# Allegro board FEMA_B40_V0P2.brd (continued)
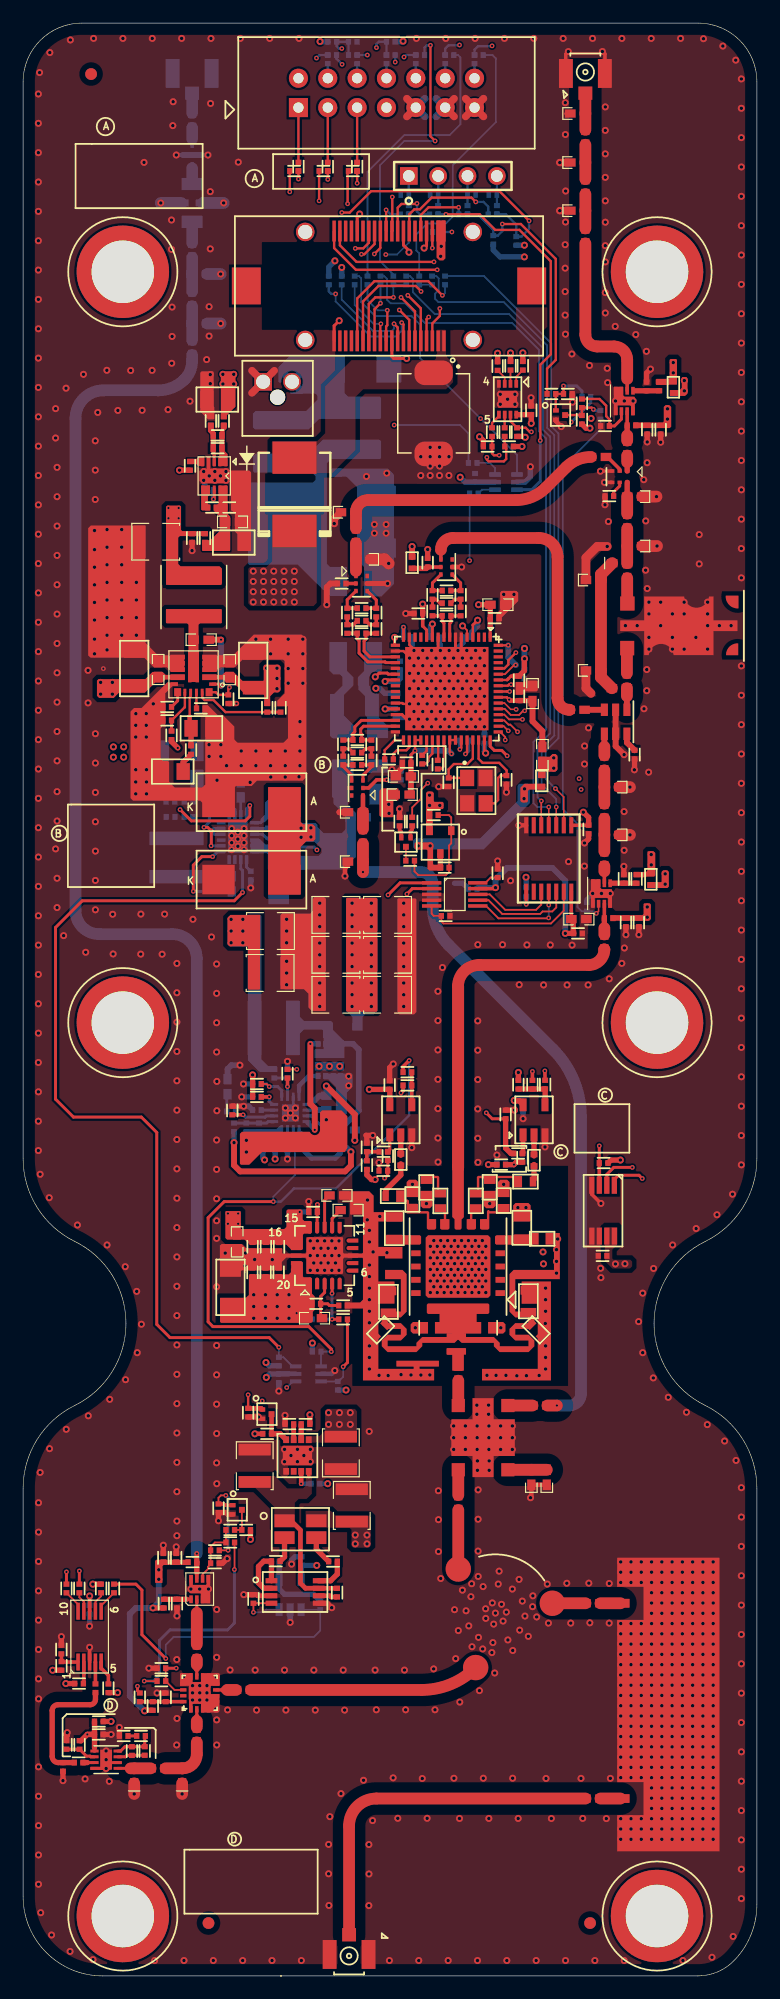
[diagram p0: board, top side]
## Copper pours and planes (outline as drawn; the poured copper is in the pictures) (continued)
GND on BOTTOM: 17.14,106.93 14.57,106.93 14.47,106.83 14.47,100.08 14.49,100.05 14.9,100.05 14.93,100.08 14.93,102.16 15.15,102.39 15.61,102.39 15.64,102.41 15.64,105.08 15.69,105.13 17.11,105.13 17.39,105.41 17.39,106.68
GND on L5-PWR: 12.92,33.44 12.92,87.52 12.44,88 4.51,88 2.52,89.99 2.52,137.18 4.92,139.58 11.84,139.58 12.53,140.27 12.53,166.54 12.84,166.85 16.22,166.85 16.55,166.37 16.55,137.44 12.97,133.85 7.51,133.85 6.61,132.95 6.61,113.41 5.88,112.69 5.88,110.49 6.61,109.77 6.61,92.41 6.75,92.26 14.96,92.26 17.08,90.13 17.08,33.34 16.67,32.92 13.44,32.92
GND on L5-PWR: 32.12,92.28 32.12,83.54 33.81,81.85 41.01,81.85 45.45,77.41 45.45,51.5 44.2,50.26 44.2,48.68 44.85,48.03 49.19,48.03 50.14,48.98 50.14,79.13 37.91,91.36 37.91,96.86 35.83,98.95 28.7,98.95 28.36,98.61 28.36,94.74 28.74,94.36 30.04,94.36
VCC_1V8 on TOP (solid shape): 35.54,102.37 35.54,101.66 35.6,101.61 36.29,101.61 36.39,101.51 36.39,101.07 36.3,100.98 35.44,100.98 35.4,100.94 35.4,99.99 35.45,99.95 35.45,98.75 35.43,98.73 34.89,98.73 34.87,98.76 34.87,102.37 34.99,102.5 35.42,102.5
VCC_1V8 on BOTTOM: 17.49,98.45 16.2,98.45 15.61,99.03 12.84,99.03 12.59,99.29 12.59,102.36 12.64,102.41 12.64,106.91 12.62,106.92 11.48,106.92 11.3,106.74 7.66,106.74 7.47,106.55 7.47,105.29 7.6,105.15 8.92,105.15 8.98,105.21 11.42,105.21 11.5,105.13 11.5,104.19 11.47,104.17 11.47,99.59 10.91,99.03 10.91,97.87 10.94,97.84 15.76,97.84 16.07,98.15 17.49,98.15 17.54,98.2 17.54,98.4
VCC_1V8 on L4-SIG2: 34.28,99.69 27.88,99.69 27.14,100.43 27.14,107.34 26.99,107.49 7.48,107.49 7.03,107.04 7.03,96.34 7.43,95.94 37.21,95.94 37.52,96.24 37.52,102.81 37.3,103.02 34.81,103.02 34.56,102.77 34.56,99.97
VCC_3.3V on TOP (solid shape): 36.54,151.89 36.54,148.64 36.36,148.46 36.03,148.46 35.78,148.72 35.78,151.89 35.8,151.92 36.52,151.92
VCC_3.3V on TOP (solid shape): 18.38,138.81 18.38,135.81 17.62,135.05 17.62,134.72 17.14,134.72 17.11,134.75 17.11,138.79 17.19,138.86 18.33,138.86
VCC_3.3V on TOP: 50.44,64.8 50.34,64.7 50.34,61.87 50.99,61.22 52.52,61.22 52.7,61.41 52.7,61.83 52.55,61.98 51.09,61.98 50.99,62.08 50.99,62.86 51.43,63.3 51.43,64.78 51.41,64.8
VCC_3.3V on L5-PWR: 19.14,55.31 25.04,55.31 25.42,54.94 25.42,50.6 25.42,50.6 25.42,45.93 26.45,44.9 31.05,44.9 32.04,45.89 32.04,65.05 30.01,67.08 30.01,69.14 30.39,69.52 32.63,69.52 34.25,71.15 34.25,80.52 35.22,81.48 40.2,81.48 44.16,77.52 44.16,51.48 43.67,50.99 43.67,47.98 44.06,47.59 49.82,47.59 50.66,48.43 50.66,81.12 38.82,92.97 38.82,97.98 37,99.8 28.89,99.8 24.86,103.83 24.86,126.36 24.06,127.16 13.95,127.16 12.64,128.46 12.64,132.72 16.93,137 16.93,139.45 17.57,140.08 17.57,151.33 18.37,152.13 42.81,152.13 43.96,150.98 43.96,137.71 44.68,136.98 48.59,136.98 51.23,134.35 51.23,120.47 49.47,118.72 30.88,118.72 29.64,117.48 29.64,111.86 29.75,111.76 30.63,111.76 30.83,111.55 30.83,111.23 30.66,111.05 29.78,111.05 29.64,110.91 29.64,107.13 30.17,106.6 59.46,106.6 61.16,104.9 61.16,70.75 52.72,62.31 52.72,53.2 53.93,51.99 53.93,39.05 50.49,35.62 34.25,35.62 31.77,33.14 31.77,17.82 29.08,15.13 2.75,15.13 2.2,15.69 2.2,38.95 3.03,39.79 9.04,39.79 9.89,38.95 9.89,30.03 10.63,29.28 17.36,29.28 18.69,30.61 18.69,54.86
VCC_5V on TOP (solid shape): 14.39,35.56 12.15,35.56 12.06,35.47 12.06,34.05 12.02,34.01 11.47,34.01 11.42,34.05 11.42,35.92 11.52,36.02 14.39,36.02
VCC_5V on TOP (solid shape): 55.87,95.56 55.87,94.27 55.76,94.15 54.05,94.15 54.03,94.17 54.03,94.65 54.04,94.66 55.21,94.66 55.26,94.71 55.26,95.55 55.39,95.68 55.75,95.68
VCC_5V on TOP (solid shape): 57.49,138.26 57.49,136.94 57.29,136.74 55.99,136.74 55.97,136.76 55.97,137.23 55.98,137.24 56.82,137.24 57,137.42 57,138.3 57.07,138.37 57.38,138.37
VCC_5V on TOP (solid shape): 24.21,61.73 24.21,60.53 24.29,60.46 24.9,60.46 25,60.36 25,59.04 25.23,58.81 25.23,57.63 25.06,57.47 25.06,56.67 24.91,56.52 17.13,56.52 17.04,56.61 17.04,58.66 17.06,58.68 19.29,58.68 19.54,58.93 19.54,60.61 19.64,60.71 22.99,60.71 23.2,60.91 23.2,61.75 23.22,61.78 24.16,61.78
VCC_5V on L4-SIG2: 9.57,21.97 9.57,43.89 14.93,49.26 14.93,67.34 15.36,67.77 35.89,67.77 38.05,69.93 38.05,93.03 40.25,95.22 50.61,95.22 51.27,95.89 51.27,138.91 52.2,139.84 61.76,139.84 62.46,139.15 62.46,89.67 61.48,88.7 50.03,88.7 48.07,86.74 48.07,76.66 52.52,72.21 52.52,38.99 48.28,34.75 48.28,21.67 47.31,20.7 10.84,20.7
VCC_5V5 on TOP (solid shape): 13.67,127.15 13.67,125.14 13.76,125.04 15.98,125.04 15.99,125.03 15.99,124.7 15.89,124.6 13.56,124.6 13.42,124.47 13.42,122.19 13.62,121.99 17,121.99 17.21,121.79 17.21,120.53 17.06,120.38 12.59,120.38 12.37,120.6 12.37,127.13 12.48,127.24 13.58,127.24
VCC_5V5 on TOP (solid shape): 24.18,66.21 24.18,65.47 24.33,65.33 24.9,65.33 24.97,65.26 24.97,64.32 24.9,64.24 24.31,64.24 24.21,64.14 24.21,62.92 24.14,62.85 23.22,62.85 22.76,63.3 19.59,63.3 19.17,63.72 17.65,63.72 17.51,63.86 17.51,66.15 17.55,66.19 18.78,66.19 18.84,66.13 18.84,64.67 18.88,64.64 22.6,64.64 22.79,64.83 22.79,66.22 22.9,66.34 24.06,66.34
VCC_5V5 on L3-SIG1: 11.75,127.46 11.75,88.13 13.57,86.31 13.57,64.24 13.88,63.93 18.77,63.93 18.97,64.12 18.97,66.73 18.94,66.75 18.94,69.26 17.34,70.87 17.34,101.87 19.68,104.21 19.68,127 19.12,127.55 11.85,127.55
VCC_12V on TOP (solid shape): 24.02,102.85 24.02,99.87 24.23,99.66 25.08,99.66 25.28,99.45 25.28,98.37 25.12,98.2 24.51,98.2 24.02,97.7 24.02,93.6 24,93.59 21.22,93.59 21.21,93.6 21.21,102.85 21.23,102.87 24,102.87
VCC_12V on TOP (solid shape): 12.33,112.6 13.94,112.6 13.95,112.59 13.95,112.2 13.94,112.19 12.3,112.19 12.05,111.94 11.43,111.94 10.55,111.06 8.3,111.06 7.85,110.61 6.57,110.61 6.39,110.79 6.39,112.1 6.52,112.23 10.57,112.23 11.2,112.85 12.07,112.85
VCC_12V on TOP (solid shape): 22.27,113.32 22.27,111.25 22.1,111.08 21.71,111.08 21.38,110.75 21.38,109.93 21.35,109.9 20.9,109.9 20.87,109.93 20.87,110.82 20.77,110.91 19.21,110.91 18.18,111.94 17.58,111.94 17.34,112.19 15.56,112.19 15.54,112.2 15.54,112.59 15.55,112.6 17.24,112.6 17.5,112.86 18.2,112.86 18.98,112.08 20.77,112.08 20.82,112.13 20.82,113.39 20.91,113.47 22.12,113.47
VCC_12V on TOP (solid shape): 27.53,74.9 27.55,74.9 27.56,74.89 28.04,74.41 28.05,74.4 28.06,74.38 28.06,71.67 28.05,71.65 28.04,71.64 27.97,71.54 27.93,71.43 27.92,71.41 27.82,71.31 27.8,71.3 27.78,71.3 20.69,71.3 20.67,71.29 20.65,71.28 19.59,70.22 19.57,70.21 19.55,70.21 18.87,70.21 18.85,70.21 18.83,70.22 18.78,70.28 18.76,70.3 18.76,70.31 18.76,72.85 18.76,72.87 18.78,72.89 18.92,73.04 18.94,73.05 18.96,73.05 24.79,73.05 24.82,73.03 24.83,73.02 25.34,72.77 25.7,73.22 25.7,74.71 25.7,74.73 25.71,74.74 25.86,74.89 25.87,74.9 25.89,74.9
VCC_12V on BOTTOM (solid shape): 28.49,105.26 28.51,105.25 28.53,105.24 28.58,105.2 28.59,105.18 28.59,105.16 28.59,103.67 28.59,103.65 28.58,103.63 28.13,103.19 28.12,103.17 28.12,103.15 28.12,101.34 28.12,101.32 28.13,101.3 28.78,100.66 28.79,100.64 28.79,100.62 28.79,96.83 28.78,96.8 28.76,96.78 28.28,96.36 28.02,95.77 28.02,95.75 27.99,95.73 24.04,95.73 24.04,95.73 21.25,95.73 21.23,95.74 21.21,95.75 21.19,95.77 21.18,95.79 21.17,95.8 21.17,97.06 21.17,97.08 21.16,97.09 21.11,97.14 21.1,97.15 21.08,97.16 19.79,97.16 19.75,97.17 19.74,97.21 19.69,97.26 19.69,98.34 19.7,98.38 19.74,98.4 20.47,98.4 20.49,98.39 20.51,98.38 20.9,97.99 20.93,97.95 20.96,97.93 20.97,97.92 20.99,97.92 21.61,97.92 21.63,97.91 21.65,97.9 21.67,97.88 21.68,97.86 21.68,97.85 21.68,97.02 21.69,97 21.7,96.99 21.74,96.94 21.76,96.93 21.78,96.93 23,96.93 23,96.93 25.56,96.93 25.58,96.94 25.59,96.95 25.83,97.18 25.84,97.2 25.84,97.22 25.84,97.5 25.84,97.52 25.83,97.54 25.72,97.64 25.68,97.7 25.62,97.74 25.25,98.11 25.23,98.13 25.21,98.13 23.88,98.13 23.86,98.13 23.85,98.14 23.45,98.54 23.44,98.56 23.43,98.58 23.43,99.51 23.44,99.53 23.45,99.55 23.66,99.76 23.68,99.77 23.7,99.77 25.31,99.77 25.33,99.77 25.34,99.76 25.46,99.64 25.47,99.63 25.48,99.61 25.48,99.46 25.48,99.44 25.49,99.42 26,98.91 26.01,98.9 26.03,98.9 27.56,98.9 27.58,98.9 27.6,98.91 27.86,99.18 27.87,99.19 27.88,99.21 27.88,100.4 27.87,100.42 27.86,100.44 26.87,101.42 26.86,101.44 26.86,101.46 26.86,101.88 26.85,101.9 26.84,101.91 26.74,102.02 26.73,102.03 26.73,102.05 26.73,105.2 26.73,105.22 26.76,105.25 26.78,105.26
VCC_12V on TOP: 19.64,121.93 21.06,121.93 21.51,122.37 21.51,122.37 21.55,122.4 21.55,127.43 21.62,127.5 25.36,127.5 25.41,127.45 25.41,118.83 25.13,118.55 19.71,118.55 19.49,118.78 19.49,121.77
VCC_12V on L5-PWR: 14.44,115.87 14.45,121.98 15.64,123.16 23.56,123.16 24.12,122.61 24.12,103.56 26.99,100.68 26.99,94.75 26.62,94.37 24.51,94.37 23.56,93.42 23.56,74.35 19.57,70.36 17.9,70.36 17.54,70.71 17.54,91.94 14.44,95.05 14.44,110.05 13.92,110.57 6.43,110.57 6.37,110.62 6.37,112.33 6.75,112.7 13.89,112.7 14.44,113.26
VCC_12VDC on BOTTOM (solid shape): 27.79,140.21 27.81,140.2 27.83,140.17 27.83,136.98 27.84,136.96 27.85,136.94 28.1,136.69 28.11,136.68 28.13,136.68 30.83,136.68 30.85,136.67 30.87,136.66 30.96,136.57 30.97,136.55 30.98,136.53 30.98,134.84 30.97,134.82 30.96,134.81 30.92,134.76 30.9,134.75 30.88,134.75 25.64,134.75 25.62,134.74 25.61,134.73 24.72,133.85 24.71,133.84 24.69,133.83 20.08,133.83 20.06,133.84 20.05,133.85 19.89,134 19.88,134.02 19.88,134.04 19.88,135.18 19.88,135.2 19.89,135.21 20.1,135.42 20.11,135.43 20.13,135.43 24.48,135.43 24.5,135.44 24.52,135.45 25.46,136.38 25.47,136.4 25.47,136.42 25.47,136.73 25.47,136.75 25.46,136.76 25.3,136.92 25.29,136.93 25.27,136.93 24.2,136.93 24.18,136.93 24.14,136.91 23.18,136.91 23.16,136.91 23.14,136.92 23.1,136.97 23.08,137.01 23.1,137.04 23.1,137.05 23.13,137.06 23.14,137.06 23.96,138.56 22.36,137.96 22.36,137.94 22.34,137.91 22.24,137.87 22.21,137.87 22.18,137.88 22.11,137.96 22.1,137.97 22.09,137.99 22.09,139.2 22.1,139.22 22.11,139.23 23.07,140.19 23.08,140.2 23.1,140.21
VCC_DRV_5V on TOP (solid shape): 54.32,92.73 54.32,91.46 54.17,91.32 50.84,91.32 50.82,91.34 50.82,91.77 50.84,91.79 50.84,91.79 53.59,91.79 53.7,91.9 53.7,92.77 53.75,92.82 54.23,92.82
VCC_DRV_5V on TOP (solid shape): 54.7,97.18 54.7,95.24 54.62,95.15 53.98,95.15 53.91,95.08 52.86,95.08 52.83,95.1 52.83,95.52 52.85,95.54 53.92,95.54 54.03,95.65 54.03,97.28 54.08,97.33 54.55,97.33
VCC_DRV_5V on L5-PWR (solid shape): 54.85,97.41 54.85,91.29 54.75,91.19 53.61,91.19 53.51,91.29 53.51,97.41 53.61,97.51 54.75,97.51
VCC_PA on TOP: 24.5,46.71 25.64,46.71 26.13,47.19 26.13,48.9 26.3,49.07 28.69,49.07 28.9,48.87 28.9,46.15 24.5,46.15 24.45,46.2 24.45,46.66
VCC_PA on L5-PWR: 29.54,82.68 28.73,83.34 27.9,82.7 27.9,77.51 27.7,77.32 24.6,77.32 24.22,77.7 24.22,84.73 24.19,84.73 24.19,93.31 24.32,93.45 30.35,93.45 31.74,92.06 31.74,83.29 33.87,81.15 33.87,70.63 28.94,65.69 28.94,45.84 28.64,45.54 26.4,45.54 25.93,46.01 25.93,55.52 25.74,55.71 24.25,55.71 24.06,55.91 24.06,58.75 23.34,59.47 20.72,59.47 20.52,59.67 20.52,70.69 21.23,71.4 28.84,71.4 29.55,72.1 29.55,82.66 29.53,82.68
VCC_RFPAL_1V8 on TOP (solid shape): 45.18,103.14 45.18,102.73 45.12,102.67 43.78,102.67 43.68,102.57 43.68,101.65 43.58,101.55 43.17,101.55 43.04,101.68 43.04,102.84 43.37,103.17 45.16,103.17
VCC_RFPAL_1V8 on TOP (solid shape): 35.48,97.97 35.48,96.22 35.53,96.16 36.34,96.16 36.37,96.14 36.37,95.68 36.34,95.66 35.15,95.66 35,95.81 35,97.41 34.92,97.49 33.98,97.49 33.88,97.59 33.88,97.99 33.98,98.1 35.35,98.1
VCC_RFPAL_1V8 on BOTTOM (solid shape): 43.86,103.07 43.86,101.5 39.85,97.49 33.93,97.49 33.75,97.66 33.75,98.27 33.93,98.45 39.54,98.45 42.79,101.7 42.79,103.02 42.95,103.18 43.76,103.18
VDD_LIN_1.8V on TOP (solid shape): 46.24,105.59 46.24,104.39 46.07,104.22 45.23,104.22 45.2,104.19 45.2,103.68 45.18,103.66 44.59,103.66 44.57,103.68 44.57,105.51 45.58,105.51 45.81,105.74 46.09,105.74
VDD_LIN_1.8V on L4-SIG2: 47.35,107.24 47.26,107.33 33.25,107.33 32.76,107.82 32.76,114.68 33.59,115.52 39.79,115.52 40.01,115.74 40.01,123.81 39.67,124.16 28.29,124.16 27.93,123.8 27.93,100.55 28.2,100.29 33.91,100.29 34.1,100.49 34.1,103.07 34.6,103.57 46.89,103.57 47.35,104.04
VDD_LIN_3.3V on BOTTOM (solid shape): 43.63,115.14 43.63,112.98 43.56,112.9 43.2,112.9 43.12,112.98 43.12,115.14 43.17,115.19 43.58,115.19
VDD_LIN_3.3V on L5-PWR: 42.63,115.19 43.02,114.8 43.02,110.54 43.81,109.75 43.81,108.71 43.91,108.61 49.62,108.61 49.98,108.97 49.98,116.69 49.09,117.58 31.45,117.58 30.11,116.24 30.11,112.83 31.28,111.66 31.28,111.1 31.28,111.1 30.87,110.69 30.87,107.95 31.08,107.75 32.86,107.75 32.98,107.87 32.98,114.61 33.55,115.19
(no net) on TOP: 18.76,70.28 18.76,72.87 18.94,73.05 25.44,73.05 25.67,73.28 25.67,74.7 25.87,74.9 27.55,74.9 28.06,74.4 28.06,71.55 27.8,71.3 20.67,71.3 19.57,70.21 18.84,70.21
(no net) on TOP: 44.44,111.18 43.5,111.18 43.21,110.89 42.66,110.89 42.62,110.92 42.62,111.94 42.65,111.96 43.42,111.96 43.55,112.09 44.49,112.09 44.49,112.09 44.55,112.04 44.55,111.28
(no net) on TOP: 32.45,102.77 31.03,102.77 30.83,102.56 30.83,100.43 30.98,100.28 31.97,100.28 32.04,100.34 32.04,101.66 32.11,101.73 32.48,101.73 32.48,102.74
(no net) on TOP: 28.03,83.44 27.96,83.52 27.96,93.24 28.01,93.29 30.57,93.29 30.65,93.22 30.65,83.52 30.57,83.44
(no net) on TOP: 41.37,117.22 40.99,117.22 40.96,117.25 40.96,117.88 41.29,118.21 41.29,119.74 41.42,119.86 42.69,119.86 42.84,119.71 42.84,118.97 41.42,117.55 41.42,117.27
(no net) on TOP: 19.45,85.42 19.45,89.05 19.4,89.1 17.87,89.1 17.69,89.28 17.69,91.57 17.95,91.82 20.51,91.82 20.51,85.42 20.46,85.37 19.5,85.37
(no net) on TOP, BOTTOM: 32.4,93.19 32.4,83.39 32.58,83.21 33.82,83.21 34.03,83.41 34.03,93.17 33.95,93.24 32.45,93.24
(no net) on TOP, BOTTOM: 24.98,83.52 26.1,83.52 26.18,83.59 26.18,93.22 26.05,93.35 25.21,93.35 25.09,93.22 25.09,92.15 24.86,91.92 22.39,91.92 22.29,91.82 22.29,85.7 22.6,85.4 24.3,85.4 24.7,84.99 24.7,83.79
(no net) on BOTTOM: 28.9,128.83 27.98,129.74 26.76,129.74 26.66,129.84 26.66,130.38 26.74,130.45 31.56,130.45 32.1,129.92 32.1,120.47 31,119.38 29.58,119.38 29.51,119.46 29.51,121.92 28.9,122.53
(no net) on BOTTOM: 26.51,115.37 26.51,112.95 26.81,112.65 27.4,112.65 27.65,112.4 27.65,111.68 26.91,110.95 26.61,110.95 26.56,110.9 26.56,107.32 26.76,107.11 28.57,107.11 28.59,107.14 28.59,108.25 27.75,109.09 27.75,110.85 28.57,111.66 28.57,112.42 28.03,112.95 28.03,115.37 27.98,115.42 26.56,115.42
(no net) on BOTTOM: 25.97,78.16 28.36,78.16 28.51,78 28.51,76.94 28.01,76.43 28.01,74.6 27.96,74.55 27.09,74.55 27.07,74.57 27.07,76.94 26.41,77.6 26.03,77.6 25.95,77.67 25.95,78.13
(no net) on BOTTOM: 22.77,79.68 23.92,79.68 23.94,79.71 23.94,81.53 24.3,81.89 25.9,81.89 25.95,81.84 25.95,80.34 25.82,80.21 25.26,80.21 25.21,80.16 25.21,79.48 25.26,79.43 27.78,79.43 27.8,79.45 27.8,80.9 26.81,81.89 26.81,82.47 26.63,82.65 24.3,82.65 23.94,83.01 23.94,84.35 23.92,84.38 22.75,84.38 22.75,79.71
(no net) on BOTTOM: 19.14,73.28 21.91,73.28 22.24,73.61 22.47,73.61 22.49,73.58 22.49,72.9 22.42,72.82 19.73,72.82 19.65,72.75 19.65,71.12 19.52,70.99 19.12,70.99 19.01,71.09 19.01,72.52 19.07,72.57 19.07,73.2
(no net) on BOTTOM: 31.07,115.38 31.07,112.97 30.76,112.66 30.18,112.66 29.92,112.41 29.92,111.7 30.67,110.95 30.74,110.95 30.78,110.91 30.78,108.93 31.59,108.12 31.59,107.19 31.52,107.12 29.84,107.12 29.76,107.2 29.76,108.94 29.58,109.12 29.58,110.75 29.01,111.32 29.01,112.43 29.54,112.97 29.54,115.38 29.59,115.43 31.02,115.43
(no net) on BOTTOM: 21.99,78.23 20.46,78.23 19.45,79.25 19.45,89.05 19.42,89.08 17.9,89.08 17.69,89.28 17.69,91.57 17.95,91.82 20.56,91.82 20.62,91.77 20.62,79.32 21.2,78.74 21.94,78.74 21.99,78.69
(no net) on BOTTOM: 19.9,131.52 19.9,130.2 20.01,130.1 24.98,130.1 25.31,129.77 25.31,129.49 25.06,129.24 19.5,129.24 19.47,129.21 19.47,122.2 19.55,122.12 23.79,122.12 26.48,119.43 27.98,119.43 28.03,119.48 28.03,121.84 27.93,121.95 26.56,121.95 26.28,122.22 26.28,130.91 26.63,131.27 30.9,131.27 30.98,131.34 30.98,132.82 30.85,132.94 25.93,132.94 24.73,131.75 20.13,131.75
(no net) on BOTTOM: 25.62,134.75 30.9,134.75 30.98,134.82 30.98,136.55 30.86,136.68 28.11,136.68 27.83,136.96 27.83,140.18 27.81,140.21 23.08,140.21 22.09,139.22 22.09,137.97 23.16,136.91 24.15,136.91 24.18,136.93 25.29,136.93 25.47,136.75 25.47,136.4 24.51,135.43 20.11,135.43 19.88,135.2 19.88,134.01 20.06,133.83 24.71,133.83
(no net) on BOTTOM: 24.04,95.73 24.04,95.73 21.22,95.73 21.17,95.78 21.17,97.08 21.1,97.16 19.68,97.16 19.62,97.21 19.62,98.45 19.65,98.48 20.41,98.48 20.97,97.92 21.63,97.92 21.68,97.87 21.68,97 21.76,96.93 23,96.93 23,96.93 25.58,96.93 25.84,97.2 25.84,97.52 25.23,98.13 23.86,98.13 23.43,98.56 23.43,99.53 23.68,99.77 25.33,99.77 25.48,99.63 25.48,99.44 26.01,98.9 27.58,98.9 27.88,99.19 27.88,100.42 26.86,101.44 26.86,101.9 26.73,102.03 26.73,105.22 26.76,105.26 28.51,105.26 28.59,105.18 28.59,103.67 28.59,103.65 28.12,103.17 28.12,101.32 28.79,100.65 28.79,96.5 28.02,95.73
(no net) on BOTTOM: 28.49,81.84 28.49,82.98 27.96,83.52 27.96,93.24 28.01,93.29 30.57,93.29 30.65,93.22 30.65,83.52 30.34,83.21 29.61,83.21 29.38,82.98 29.38,81.84 29.35,81.81 28.51,81.81
TX_PA_IN on TOP (solid shape): 38.14,65.66 37.94,65.46 37.94,64.69 37.84,64.59 37.44,64.59 37.34,64.69 37.34,65.48 37.14,65.68 37.14,70.31 38.14,70.31
TX_PREDRI_VOUT on TOP (solid shape): 56.08,135.77 56.08,134.08 55.96,133.96 52.82,133.96 52.8,133.98 52.8,134.42 52.81,134.43 55.35,134.43 55.44,134.52 55.44,135.78 55.6,135.94 55.91,135.94
TX_PREDRI_VOUT on TOP (solid shape): 56.58,139.86 56.58,137.75 56.57,137.74 55.96,137.74 55.91,137.68 54.81,137.68 54.75,137.75 54.75,138.15 54.81,138.21 55.88,138.21 55.94,138.28 55.94,139.85 56.03,139.93 56.51,139.93
TX_PREDRI_VOUT on L5-PWR (solid shape): 56.87,139.63 56.87,138.56 56.31,138.01 56.31,134.58 56.16,134.44 55.47,134.44 55.3,134.6 55.3,139.61 55.56,139.88 56.62,139.88
VDS_PA1 on TOP (solid shape): 46.44,60.3 42.59,60.3 42.59,57.49 43.74,57.49 44.24,56.99 44.24,56.49 43.74,55.99 42.59,55.99 42.59,55.49 43.74,55.49 44.24,54.99 44.24,54.49 43.74,53.99 41.24,53.99 40.74,54.49 40.74,54.79 37.94,54.79 37.64,55.09 37.34,54.79 34.54,54.79 34.54,54.49 34.04,53.99 31.54,53.99 31.04,54.49 31.04,54.99 31.54,55.49 32.69,55.49 32.69,55.99 31.54,55.99 31.04,56.49 31.04,56.99 31.54,57.49 32.69,57.49 32.69,60.3 31.32,60.3 31.32,61.1 32.82,61.1 33.19,60.73 33.19,57.49 32.69,56.99 31.54,56.99 31.54,56.49 32.69,56.49 33.19,55.99 33.19,55.49 32.69,54.99 31.54,54.99 31.54,54.49 34.04,54.49 34.04,54.79 34.54,55.29 37.14,55.29 37.14,55.59 35.64,55.59 35.64,56.59 36.04,56.59 36.04,57.29 35.04,57.29 34.94,57.39 34.94,58.09 35.04,58.19 40.24,58.19 40.34,58.09 40.34,57.39 40.24,57.29 39.24,57.29 39.24,56.59 39.64,56.59 39.64,55.59 38.14,55.59 38.14,55.29 40.74,55.29 41.24,54.79 41.24,54.49 43.74,54.49 43.74,54.99 42.59,54.99 42.09,55.49 42.09,55.99 42.59,56.49 43.74,56.49 43.74,56.99 42.59,56.99 42.09,57.49 42.09,60.73 42.46,61.1 45.94,61.1 45.94,63.29 45.22,63.29 45.22,64.29 46.44,64.29
VDS_PA1 on TOP: 24.47,40.25 24.44,40.22 24.44,38.85 24.51,38.79 28.24,38.79 28.42,38.61 28.42,37.21 28.57,37.06 29.92,37.06 30.09,37.24 30.09,39.7 29.97,39.83 27.05,39.83 26.63,40.25
VDS_PA1 on L3-SIG1: 26.79,48.73 26.83,48.77 26.83,56.13 27.51,56.8 41.51,56.8 42.23,57.53 42.23,64.29 42.39,64.46 47.04,64.46 47.26,64.24 47.26,39.76 46.23,38.73 33.95,38.73 31.39,36.17 27.2,36.17 26.79,36.57
N120221 on BOTTOM: 18.48,96.98 18.48,94.74 18.43,94.69 15.79,94.69 15.64,94.54 10.96,94.54 10.94,94.56 10.94,95.68 10.96,95.71 17.62,95.71 17.69,95.78 17.69,96.95 17.77,97.03 18.43,97.03
N123470 on BOTTOM: 14.19,100.2 14.04,100.05 13.02,100.05 12.89,100.18 12.89,101.88 12.92,101.9 14.15,101.9 14.19,101.86
N170899 on BOTTOM (solid shape): 23.9,84.38 23.92,84.38 23.94,84.34 23.94,83.03 23.95,83.01 23.96,82.99 24.28,82.67 24.3,82.66 24.32,82.65 26.61,82.65 26.63,82.65 26.65,82.64 26.8,82.49 26.81,82.47 26.81,82.45 26.81,81.91 26.82,81.89 26.83,81.87 27.79,80.91 27.8,80.9 27.8,80.88 27.8,79.47 27.8,79.45 27.77,79.43 25.28,79.43 25.26,79.43 25.25,79.44 25.23,79.46 25.22,79.48 25.21,79.5 25.21,80.1 25.23,80.13 25.26,80.15 25.96,80.15 26,80.16 26.01,80.2 26.01,81.13 26,81.16 25.96,81.18 25.95,81.18 25.95,81.82 25.95,81.84 25.93,81.85 25.91,81.87 25.9,81.89 25.88,81.89 24.32,81.89 24.3,81.89 24.28,81.87 23.96,81.55 23.95,81.53 23.94,81.51 23.94,79.73 23.94,79.71 23.91,79.68 22.8,79.68 22.78,79.68 22.75,79.72 22.75,84.33 22.76,84.36 22.8,84.38
N195418 on TOP: 18.66,43.26 21.78,43.26 21.79,43.26 22.85,42.19 24.23,42.19 24.45,42.42 24.45,43.89 24.53,43.97 24.99,43.97 24.99,41.73 24.53,41.28 23.85,41.28 23.52,40.95 23.52,38.84 23.46,38.79 21.76,38.79 21.74,38.81 21.74,40.59 20.09,42.24 18.63,42.24 18.63,43.23
N5543796 on TOP (solid shape): 42.09,65.98 40.34,65.98 40.34,64.69 40.24,64.59 39.64,64.59 39.54,64.69 39.54,65.49 40.14,65.49 40.14,66.18 40.24,66.28 40.34,66.28 40.34,66.18 41.09,66.18 41.09,66.8 42.09,66.8
N5543936 on TOP (solid shape): 43.18,69.24 43.18,68.24 42.48,68.24 42.48,69.04 40.88,69.04 40.88,68.54 39.88,68.54 39.88,69.04 39.47,69.04 39.47,68.07 39.67,68.07 39.67,67.37 38.67,67.37 38.67,68.07 39.27,68.07 39.27,69.14 39.37,69.24 43.17,69.24
N5544041 on TOP (solid shape): 39.67,66.07 38.87,66.07 38.87,65.49 39.19,65.49 39.19,64.69 39.09,64.59 38.49,64.59 38.39,64.69 38.39,65.49 38.67,65.49 38.67,66.77 39.67,66.77
N5544247 on TOP (solid shape): 36.61,65.49 36.89,65.49 36.89,64.69 36.79,64.59 36.19,64.59 36.09,64.69 36.09,65.49 36.41,65.49 36.41,66.07 35.61,66.07 35.61,66.77 36.61,66.77
N5544287 on TOP (solid shape): 36.01,69.14 36.01,68.07 36.61,68.07 36.61,67.37 35.61,67.37 35.61,68.07 35.81,68.07 35.81,69.04 35.8,69.04 35.4,69.04 35.4,68.54 34.4,68.54 34.4,69.24 35.91,69.24
N5544484 on TOP (solid shape): 32.98,67.19 32.99,67.18 33.29,67.18 33.39,67.08 33.39,66.8 33.39,66.8 34.19,66.8 34.19,66.18 35.04,66.18 35.14,66.08 35.14,65.49 35.14,65.49 35.74,65.49 35.74,64.69 35.64,64.59 35.04,64.59 34.94,64.69 34.94,65.98 33.19,65.98 33.19,66.08 33.19,66.09 33.19,66.98 32.28,66.98 32.28,67.98 32.98,67.98
N5544784 on TOP (solid shape): 34.44,63.99 34.44,63.39 34.34,63.29 31.37,63.29 31.37,64.09 34.34,64.09
N5544890 on TOP (solid shape): 44.61,63.29 40.94,63.29 40.84,63.39 40.84,63.99 40.94,64.09 43.92,64.09 43.92,64.29 44.61,64.29
N5546966 on TOP (solid shape): 38.25,54.29 38.25,53.91 38.14,53.8 38.14,52.39 38.12,52.38 37.15,52.38 37.14,52.39 37.14,53.76 37.13,53.77 36.7,53.77 36.66,53.81 36.66,54.25 36.71,54.3 38.23,54.3
N5619357 on TOP (solid shape): 17.19,118.23 17.19,117.11 17.14,117.06 15.31,117.06 15.17,116.93 15.17,111.98 14.31,111.98 14.31,116.94 14.19,117.06 12.44,117.06 12.36,117.14 12.36,118.23 12.41,118.28 17.14,118.28
N5630487 on TOP (solid shape): 17.62,134.39 17.62,133.91 17.44,133.73 17.44,131.95 17.69,131.7 17.69,130.68 17.67,130.66 16.91,130.66 16.88,130.68 16.88,131.47 16.98,131.57 16.98,133.6 17.11,133.73 17.11,134.37 17.16,134.42 17.59,134.42
N5630581 on TOP (solid shape): 17.69,128.93 17.69,126.52 17.92,126.29 17.92,123.39 17.85,123.32 15.54,123.32 15.48,123.37 15.48,124.2 15.54,124.25 16.22,124.25 17.01,125.04 17.01,126.29 16.5,126.8 16.5,127.33 16.81,127.33 16.91,127.43 16.91,128.96 16.93,128.98 17.64,128.98
N5630797 on TOP (solid shape): 16.5,134.39 16.5,133.76 16.68,133.58 16.68,130.68 16.65,130.66 16.42,130.66 16.4,130.68 16.4,131.72 16.22,131.9 16.22,133.43 15.99,133.66 15.99,134.42 16.47,134.42
N5630845 on TOP (solid shape): 16.17,128.96 16.17,128.22 15.99,128.04 15.99,127.38 16.04,127.33 16.17,127.33 16.2,127.31 16.2,126.85 16.17,126.82 15.48,126.82 15.41,126.9 15.41,128.96 15.43,128.98 16.14,128.98
N5630921 on TOP (solid shape): 15.69,131.45 15.69,130.71 15.64,130.66 15.18,130.66 15,130.84 14.19,130.84 14.19,131.29 15.03,131.29 15.2,131.47 15.66,131.47
N5658926 on TOP: 28.42,139.83 35.58,139.83 35.73,139.98 35.73,142.39 35.81,142.47 36.52,142.47 36.6,142.39 36.6,140.18 37.21,139.57 37.21,137.92 36.6,137.31 29.43,137.31 28.77,136.65 28.77,132.08 26.74,130.05 21.58,130.05 21.53,130.11 21.53,132.76 21.58,132.82 25.45,132.82 26.14,133.51 26.14,137.55
GND on TOP (solid shape): 33.93,93.24 33.95,93.24 33.97,93.23 34.01,93.18 34.02,93.17 34.03,93.15 34.03,83.43 34.02,83.42 34.01,83.4 33.84,83.23 33.82,83.21 33.8,83.21 32.6,83.21 32.58,83.21 32.56,83.23 32.42,83.37 32.4,83.39 32.4,83.41 32.4,93.17 32.4,93.19 32.42,93.21 32.44,93.23 32.45,93.24 32.47,93.24
GND on TOP (solid shape): 44.53,112.05 44.54,112.04 44.55,112.02 44.55,111.3 44.54,111.28 44.53,111.26 44.46,111.19 44.44,111.18 44.42,111.18 43.52,111.18 43.5,111.17 43.49,111.16 43.23,110.9 43.21,110.89 43.19,110.89 42.68,110.89 42.66,110.89 42.63,110.92 42.62,110.94 42.62,111.92 42.63,111.94 42.66,111.96 43.4,111.96 43.42,111.97 43.44,111.98 43.54,112.08 43.55,112.09 43.57,112.09 44.49,112.09 44.49,112.09
GND on TOP (solid shape): 42.67,119.86 42.69,119.86 42.7,119.85 42.83,119.73 42.84,119.71 42.84,119.69 42.84,118.99 42.84,118.98 42.83,118.96 41.43,117.57 41.42,117.55 41.42,117.53 41.42,117.29 41.41,117.27 41.4,117.26 41.38,117.24 41.37,117.23 41.35,117.22 41,117.22 40.96,117.25 40.96,117.27 40.96,117.86 40.96,117.88 40.98,117.9 41.14,118.06 41.15,118.06 41.15,118.07 41.28,118.2 41.29,118.21 41.29,118.23 41.29,119.71 41.29,119.73 41.31,119.75 41.4,119.85 41.42,119.86 41.44,119.86
GND on TOP (solid shape): 26.03,93.35 26.05,93.34 26.07,93.33 26.16,93.23 26.17,93.22 26.18,93.2 26.18,83.61 26.17,83.59 26.16,83.58 26.12,83.53 26.1,83.52 26.08,83.52 25.01,83.52 24.99,83.52 24.97,83.53 24.72,83.78 24.71,83.8 24.7,83.82 24.7,84.97 24.7,84.99 24.69,85 24.31,85.38 24.3,85.39 24.28,85.4 22.62,85.4 22.6,85.4 22.58,85.41 22.31,85.68 22.3,85.7 22.29,85.72 22.29,91.8 22.3,91.82 22.31,91.84 22.38,91.91 22.39,91.92 22.41,91.92 24.84,91.92 24.86,91.93 24.87,91.94 25.07,92.14 25.08,92.15 25.09,92.17 25.09,93.2 25.09,93.22 25.1,93.23 25.2,93.33 25.21,93.34 25.23,93.35
GND on BOTTOM (solid shape): 33.93,93.24 33.95,93.24 33.97,93.23 34.01,93.18 34.02,93.17 34.03,93.15 34.03,83.43 34.02,83.42 34.01,83.4 33.84,83.23 33.82,83.21 33.8,83.21 32.6,83.21 32.58,83.21 32.56,83.23 32.42,83.37 32.4,83.39 32.4,83.41 32.4,93.17 32.4,93.19 32.42,93.21 32.44,93.23 32.45,93.24 32.47,93.24
GND on BOTTOM (solid shape): 31.54,130.45 31.56,130.45 31.58,130.44 32.08,129.94 32.09,129.92 32.1,129.9 32.1,120.49 32.09,120.47 32.08,120.46 31.02,119.39 31,119.38 30.98,119.38 29.6,119.38 29.58,119.38 29.57,119.39 29.52,119.44 29.51,119.46 29.51,119.48 29.51,121.9 29.5,121.92 29.49,121.93 28.91,122.51 28.9,122.53 28.9,122.55 28.9,128.81 28.89,128.83 28.88,128.84 28,129.73 27.98,129.74 27.96,129.74 26.78,129.74 26.76,129.75 26.75,129.76 26.68,129.83 26.66,129.85 26.66,129.87 26.66,130.36 26.66,130.38 26.68,130.39 26.72,130.44 26.74,130.45 26.76,130.45
GND on BOTTOM (solid shape): 26.03,93.35 26.05,93.34 26.07,93.33 26.16,93.23 26.17,93.22 26.18,93.2 26.18,83.61 26.17,83.59 26.16,83.58 26.12,83.53 26.1,83.52 26.08,83.52 25.01,83.52 24.99,83.52 24.97,83.53 24.72,83.78 24.71,83.8 24.7,83.82 24.7,84.97 24.7,84.99 24.69,85 24.31,85.38 24.3,85.39 24.28,85.4 22.62,85.4 22.6,85.4 22.58,85.41 22.31,85.68 22.3,85.7 22.29,85.72 22.29,91.8 22.3,91.82 22.31,91.84 22.38,91.91 22.39,91.92 22.41,91.92 24.84,91.92 24.86,91.93 24.87,91.94 25.07,92.14 25.08,92.15 25.09,92.17 25.09,93.2 25.09,93.22 25.1,93.23 25.2,93.33 25.21,93.34 25.23,93.35
GND on TOP: 1.02,163.92 2.21,166.79 5.08,167.98 58.42,167.98 61.29,166.79 62.48,163.92 62.48,70.74 61.43,67.05 58.57,64.47 53.58,56.47 58.57,48.46 61.43,45.88 62.48,42.19 62.48,6.18 62.07,3.99 60.87,2.11 59.77,1.31 58.43,1.02 6.88,1.02 2.73,2.73 1.02,6.88 1.02,42.19 2.07,45.88 4.93,48.46 9.92,56.47 4.93,64.47 2.07,67.05 1.02,70.74 ; 26 cut-outs
GND on BOTTOM: 1.02,163.92 2.21,166.79 5.08,167.98 58.42,167.98 61.29,166.79 62.48,163.92 62.48,70.74 61.43,67.05 58.57,64.47 53.58,56.47 58.57,48.46 61.43,45.88 62.48,42.19 62.48,6.18 62.07,3.99 60.87,2.11 59.77,1.31 58.43,1.02 6.88,1.02 2.73,2.73 1.02,6.88 1.02,42.19 2.07,45.88 4.93,48.46 9.92,56.47 4.93,64.47 2.07,67.05 1.02,70.74 ; 27 cut-outs
GND on L2-GND1: 1.02,163.92 2.21,166.79 5.08,167.98 58.42,167.98 61.29,166.79 62.48,163.92 62.48,70.74 61.43,67.05 58.57,64.47 53.58,56.47 58.57,48.46 61.43,45.88 62.48,42.19 62.48,6.18 62.07,3.99 60.87,2.11 59.77,1.31 58.43,1.02 6.88,1.02 2.73,2.73 1.02,6.88 1.02,42.19 2.07,45.88 4.93,48.46 9.92,56.47 4.93,64.47 2.07,67.05 1.02,70.74
GND on L2-GND1: 1.02,163.92 2.21,166.79 5.08,167.98 58.42,167.98 61.29,166.79 62.48,163.92 62.48,70.74 61.43,67.05 58.57,64.47 53.58,56.47 58.57,48.46 61.43,45.88 62.48,42.19 62.48,6.18 62.07,3.99 60.87,2.11 59.77,1.31 58.43,1.02 6.88,1.02 2.73,2.73 1.02,6.88 1.02,42.19 2.07,45.88 4.93,48.46 9.92,56.47 4.93,64.47 2.07,67.05 1.02,70.74
GND on L3-SIG1: 1.02,163.92 2.21,166.79 5.08,167.98 58.42,167.98 61.29,166.79 62.48,163.92 62.48,70.74 61.43,67.05 58.57,64.47 53.58,56.47 58.57,48.46 61.43,45.88 62.48,42.19 62.48,6.18 62.07,3.99 60.87,2.11 59.77,1.31 58.43,1.02 6.88,1.02 2.73,2.73 1.02,6.88 1.02,42.19 2.07,45.88 4.93,48.46 9.92,56.47 4.93,64.47 2.07,67.05 1.02,70.74 ; 12 cut-outs
GND on L4-SIG2: 1.02,163.92 2.21,166.79 5.08,167.98 58.42,167.98 61.29,166.79 62.48,163.92 62.48,70.74 61.43,67.05 58.57,64.47 53.58,56.47 58.57,48.46 61.43,45.88 62.48,42.19 62.48,6.18 62.07,3.99 60.87,2.11 59.77,1.31 58.43,1.02 6.88,1.02 2.73,2.73 1.02,6.88 1.02,42.19 2.07,45.88 4.93,48.46 9.92,56.47 4.93,64.47 2.07,67.05 1.02,70.74 ; 15 cut-outs
VCC_12V on TOP (solid shape): 20.46,91.82 20.5,91.81 20.51,91.77 20.51,85.44 20.51,85.42 20.5,85.41 20.48,85.38 20.46,85.37 20.44,85.37 19.52,85.37 19.5,85.37 19.48,85.38 19.46,85.41 19.45,85.42 19.45,85.44 19.45,89.03 19.44,89.05 19.43,89.07 19.41,89.09 19.39,89.1 19.37,89.1 17.89,89.1 17.87,89.11 17.86,89.12 17.71,89.27 17.7,89.28 17.69,89.3 17.69,91.55 17.7,91.57 17.71,91.58 17.93,91.81 17.95,91.82 17.97,91.82
VCC_12V on BOTTOM (solid shape): 20.54,91.82 20.56,91.82 20.58,91.81 20.6,91.79 20.61,91.77 20.62,91.75 20.62,79.35 20.62,79.33 20.63,79.31 21.18,78.76 21.2,78.74 21.22,78.74 21.91,78.74 21.93,78.74 21.95,78.73 21.97,78.7 21.98,78.69 21.99,78.67 21.99,78.28 21.97,78.25 21.94,78.23 20.48,78.23 20.46,78.24 20.45,78.25 19.46,79.23 19.45,79.25 19.45,79.27 19.45,89.03 19.44,89.05 19.41,89.08 17.92,89.08 17.9,89.08 17.88,89.09 17.71,89.27 17.7,89.28 17.69,89.3 17.69,91.55 17.7,91.57 17.71,91.58 17.93,91.81 17.95,91.82 17.97,91.82
VCC_12V on BOTTOM (solid shape): 22.45,73.61 22.47,73.61 22.49,73.57 22.49,72.92 22.49,72.9 22.48,72.88 22.43,72.84 22.42,72.83 22.4,72.82 19.75,72.82 19.73,72.82 19.71,72.81 19.66,72.76 19.65,72.74 19.65,72.72 19.65,71.14 19.65,71.12 19.64,71.11 19.54,71.01 19.52,71 19.5,70.99 19.14,70.99 19.12,71 19.1,71.01 19.03,71.08 19.02,71.1 19.01,71.12 19.01,72.5 19.02,72.52 19.03,72.53 19.05,72.55 19.06,72.57 19.07,72.59 19.07,73.18 19.07,73.2 19.08,73.22 19.13,73.26 19.14,73.28 19.16,73.28 21.89,73.28 21.91,73.28 21.93,73.29 22.16,73.53 22.18,73.54 22.2,73.55 22.28,73.55 22.32,73.56 22.33,73.6 22.33,73.61
VCC_PA on TOP (solid shape): 30.55,93.29 30.57,93.29 30.59,93.28 30.63,93.23 30.64,93.22 30.65,93.2 30.65,83.54 30.64,83.52 30.63,83.5 30.59,83.45 30.57,83.44 30.55,83.44 28.05,83.44 28.03,83.44 28.02,83.45 27.97,83.5 27.96,83.52 27.96,83.54 27.96,93.22 27.96,93.24 27.97,93.26 27.99,93.28 28.01,93.29 28.03,93.29
VCC_PA on BOTTOM (solid shape): 30.55,93.29 30.57,93.29 30.59,93.28 30.63,93.23 30.64,93.22 30.65,93.2 30.65,83.54 30.64,83.52 30.63,83.5 30.36,83.23 30.34,83.21 30.32,83.21 29.63,83.21 29.61,83.21 29.59,83.2 29.39,83 29.38,82.98 29.38,82.96 29.38,81.86 29.37,81.84 29.34,81.81 28.53,81.81 28.49,81.84 28.49,81.86 28.49,82.96 28.49,82.98 28.47,83 27.97,83.5 27.96,83.52 27.96,83.54 27.96,93.22 27.96,93.24 27.97,93.26 27.99,93.28 28.01,93.29 28.03,93.29
VDD_LIN_1.8V on TOP (solid shape): 32.43,102.77 32.45,102.76 32.48,102.73 32.48,101.78 32.46,101.74 32.43,101.73 32.13,101.73 32.11,101.72 32.09,101.71 32.05,101.67 32.04,101.66 32.04,101.64 32.04,100.36 32.03,100.35 32.02,100.33 31.99,100.29 31.97,100.28 31.95,100.28 31,100.28 30.98,100.28 30.97,100.29 30.84,100.42 30.83,100.44 30.83,100.46 30.83,102.54 30.83,102.56 30.84,102.58 31.02,102.75 31.03,102.76 31.05,102.77
Net_339 on TOP (solid shape): 61.91,118.35 61.1,118.65 60.8,119.45 61.91,119.45
Net_340 on TOP (solid shape): 60.83,114.3 61.13,115.04 61.88,115.32 61.88,114.3
N172938 on BOTTOM (solid shape): 30.83,132.94 30.85,132.94 30.87,132.93 30.96,132.83 30.97,132.82 30.98,132.8 30.98,131.36 30.97,131.35 30.96,131.33 30.92,131.28 30.9,131.27 30.88,131.27 26.66,131.27 26.64,131.26 26.62,131.25 26.29,130.93 26.28,130.91 26.28,130.89 26.28,122.25 26.28,122.23 26.29,122.21 26.54,121.96 26.56,121.95 26.58,121.95 27.91,121.95 27.93,121.94 27.95,121.93 28.02,121.86 28.03,121.84 28.03,121.82 28.03,119.5 28.03,119.48 28.02,119.47 28,119.45 27.98,119.43 27.96,119.43 26.5,119.43 26.48,119.43 26.47,119.45 23.8,122.11 23.79,122.12 23.77,122.12 19.57,122.12 19.55,122.13 19.53,122.14 19.49,122.18 19.48,122.2 19.47,122.22 19.47,129.19 19.48,129.21 19.51,129.24 25.04,129.24 25.06,129.24 25.08,129.25 25.3,129.47 25.31,129.49 25.31,129.51 25.31,129.75 25.31,129.77 25.3,129.78 25,130.08 24.98,130.1 24.96,130.1 20.03,130.1 20.01,130.1 19.99,130.11 19.92,130.19 19.91,130.2 19.9,130.22 19.9,131.5 19.91,131.52 19.92,131.54 20.12,131.74 20.13,131.75 20.15,131.75 24.71,131.75 24.73,131.75 24.75,131.76 25.91,132.93 25.93,132.94 25.95,132.94
N173072 on BOTTOM (solid shape): 27.96,115.42 27.98,115.41 28,115.4 28.02,115.38 28.03,115.37 28.03,115.35 28.03,112.97 28.04,112.96 28.05,112.94 28.55,112.44 28.56,112.42 28.57,112.4 28.57,111.68 28.56,111.66 28.55,111.64 27.77,110.86 27.76,110.84 27.75,110.82 27.75,109.11 27.76,109.09 27.77,109.08 28.58,108.27 28.59,108.25 28.59,108.23 28.59,107.16 28.59,107.14 28.55,107.11 26.78,107.11 26.76,107.12 26.75,107.13 26.57,107.3 26.56,107.32 26.56,107.34 26.56,110.88 26.56,110.89 26.57,110.91 26.59,110.93 26.61,110.94 26.63,110.95 26.89,110.95 26.91,110.95 26.93,110.96 27.64,111.67 27.65,111.69 27.65,111.7 27.65,112.37 27.65,112.39 27.64,112.41 27.41,112.63 27.4,112.65 27.38,112.65 26.83,112.65 26.81,112.65 26.8,112.66 26.52,112.94 26.51,112.96 26.51,112.97 26.51,115.35 26.51,115.37 26.52,115.38 26.54,115.4 26.56,115.41 26.58,115.42
N173370 on BOTTOM (solid shape): 31,115.43 31.01,115.43 31.03,115.42 31.05,115.39 31.06,115.38 31.07,115.36 31.07,112.99 31.06,112.97 31.05,112.95 30.87,112.77 30.86,112.76 30.84,112.76 30.81,112.76 30.79,112.76 30.77,112.77 30.33,112.86 30.03,112.52 30.02,112.5 29.94,112.42 29.93,112.41 29.92,112.39 29.92,111.72 29.93,111.7 29.94,111.68 30.07,111.55 30.08,111.53 30.08,111.51 30.2,111.11 30.61,110.98 30.62,110.98 30.65,110.98 30.68,110.95 30.73,110.94 30.75,110.93 30.77,110.91 30.78,110.89 30.78,110.87 30.78,108.95 30.79,108.93 30.8,108.91 31.57,108.14 31.58,108.12 31.59,108.1 31.59,107.21 31.58,107.19 31.57,107.17 31.54,107.14 31.52,107.13 31.5,107.12 29.86,107.12 29.84,107.13 29.82,107.14 29.77,107.19 29.76,107.2 29.76,107.22 29.76,108.92 29.76,108.94 29.74,108.96 29.6,109.1 29.59,109.12 29.58,109.14 29.58,110.73 29.58,110.75 29.57,110.76 29.02,111.31 29.01,111.32 29.01,111.34 29.01,112.41 29.01,112.43 29.02,112.45 29.53,112.95 29.54,112.97 29.54,112.99 29.54,115.36 29.55,115.38 29.56,115.39 29.58,115.42 29.6,115.43 29.62,115.43

## Text on the board
User.Comments: UNLESS OTHERWISE SPECIFIED | ALL DIMENSIONS ARE IN | INCHES | DATE | MILS | SIZE | SCALE | DRAWING TITLE | PART NUMBER | 1/1 | SHEET | 1  OF | 1 | Rev | D | A | CAD | DATA | 20-08-2019 | DO NOT MANUALLY | C | B | 8 | 7 | 6 | 5 | 4 | 3 | X | 2 | 11. COMPARE SUPPLIED IPC-D-356 NETLIST TO SUPPLIED GERBER DATA | 10. REQUEST FABRICATOR TO ADD TEAR DROPS IF NOT ADDED IN THE GERBERS. | 15. DONT KEEP PCB MANUFACTURER LOGO IN PCB. | 13. ALL VIA ON PAD SHOULD BE FILLED WITH FLAT SURFACE FINISH | 14. BOARD INFORMATION: | 12  CONTROLLED IMPEDANCE: SEE LAYER STACK AND IMPEDANCE CHART. | 5. SILK SCREEN LEGEND TO BE APPLIED PER LAYER STACKUP USING WHITE | 4. SOLDER MASK MATERIAL SHALL MEET ALL THE REQUIREMENTS OF | IPC-SM-840C AND SHALL BE MATT BLACK IN COLOR AND APPLIED OVER BARE COPPER. | 3. SURFACE FINISH:  IMMERSION GOLD | COPPER: AS PER STACKUP. | NON-CONDUCTIVE EPOXY INK. | 2. MATERIAL:. 370HR | DIELECTRIC:  FR4 PER IPC-4101. | U.L. RATING: 94V-0 MINIMUM | NOTES: UNLESS OTHERWISE SPECIFIED. | 7. PCB MUST BE 100% ELECTRICALLY TESTED FOR SHORTS AND CONTINUITY STRICTLY | 6. GERBER SHOULD BE VERIFIED FOR 100% CONTINUITY AND SHORTS TESTING STRICTLY | NOTE: THE IMPEDANCE CHARTS WILL REFLECT ALL POSSIBLE | 9. DIELECTRICS AND LINEWIDTHS MAY BE ADJUSTED TO MEET THE IMPEDANCE | IMPEDANCE VALUES WHICH MAY BE REQUIRED IN THE DESIGN. NOT | 8. BOW AND TWIST SHALL NOT EXCEED 0.7% OF LONGEST SIDE . | ALL VALUES WILL BE PRESENT ON EACH LAYER. | 1. FABRICATE AS PER IPC-6011 AND IPC-6012 CLASS 2. | 12. | B. MINIMUM CONDUCTOR WIDTH : 4.7 MIL | A. MINIMUM CONDUCTOR SPACING : - MIL | WITH THE IPC-D-356A NETLIST | USING IPC-D-356A NETLIST PROVIDED IN CAM DIRECTORY ONLY. | PRIOR TO FABRICATION. | NOTE: EXCEPT (FIG C) VIAS IN DRILL TABLE & SOLDER MASK EXPOSED VIAS
Ref Des/Silkscreen Top: B | A | D | C
PAGE_OUTLINE: UPDATE
User.18: 30
User.28: PLACEMENT_TOP
User.29: PLACEMENT_BOTTOM
User.30: PLACEMENT_ALL
User.45: 40 mm | 10 | 1 | 8 | 5 | 4 | 6 | CON1 | 40 | 20 | J1 | 15 | 16 | 9 | 21 | 12 | 13 | CON3 | CON2 | MH3 | MH1 | MH5 | MH2 | MH4 | MH6 | A | C | D | B | 2 | 3 | Designed and made in California with | Love and Sunshine | PRELIMINARY | 11 | CBRS_1WATT | LAYER(S) | TRACE WIDTH | 4.70 | 5.00 | SINGLE ENDED IMPEDANCE CHART | DIFFRENTIAL IMPEDANCE CHART | IMPEDANCE | TRACE | SEPARATION | 50 OHMS | 5.70 | REF LAYER | 90 OHMS | +/- 10% | TOL | (61.675  +/- 10 % Mils) | SECONDARY SIDE, SILK SCREEN | PRIMARY SIDE, SOLDER MASK | PRIMARY SIDE, SILK SCREEN | PRIMARY SIDE, LAYER 1 - 1.760 MIL | SECONDARY SIDE, LAYER 6 - 1.760 MIL | SECONDARY SIDE, SOLDER MASK | Rogers4350B | DIELECTRIC | INNER1 LAYER, LAYER 3 - 0.700 MIL | POWER LAYER, LAYER 5-  0.579 MIL | GROUND LAYER, LAYER 2 - 0.579 MIL | INNER2 LAYER, LAYER 4 - 0.700 MIL | 4.146 MIL | 19.685 MIL | 1.00 MIL | 4.00 MIL | LAYER6 | LAYER7 | LAYER8 | LAYER9 | FILM LAYER : | DESIGNED AT: | DATE       :20-08-2019 | SOLDERMASK TOP | SILKSCREEN TOP | SOLDERMASK BOTTOM | TOP SIDE | SILKSCREEN BOTTOM | SOLDER PASTE TOP | SOLDER PASTE BOTTOM | RelySys Technologies | LAYER4 | FABRICATION DRAWING | LAYER3 | LAYER2 | LAYER5 | BOTTOM SIDE | ASSEMBLY BOTTOM | ASSEMBLY TOP | 63.5 | UNITS -MILS | FIGURE | SIZE | 8.0 | 12.0 | 35.0 | 40.0 | 48.0 | 212.992 | 52.0 | DRILL CHART: TOP to BOTTOM | ALL UNITS ARE IN MILS | TOLERANCE | +3.0/-3.0 | PLATED | NON-PLATED | QTY | 158 | 1490 | 14 | 169
